# Altium PCB Thunderscope_Rev4.PCBDOC (part 1 of 7) (continued)
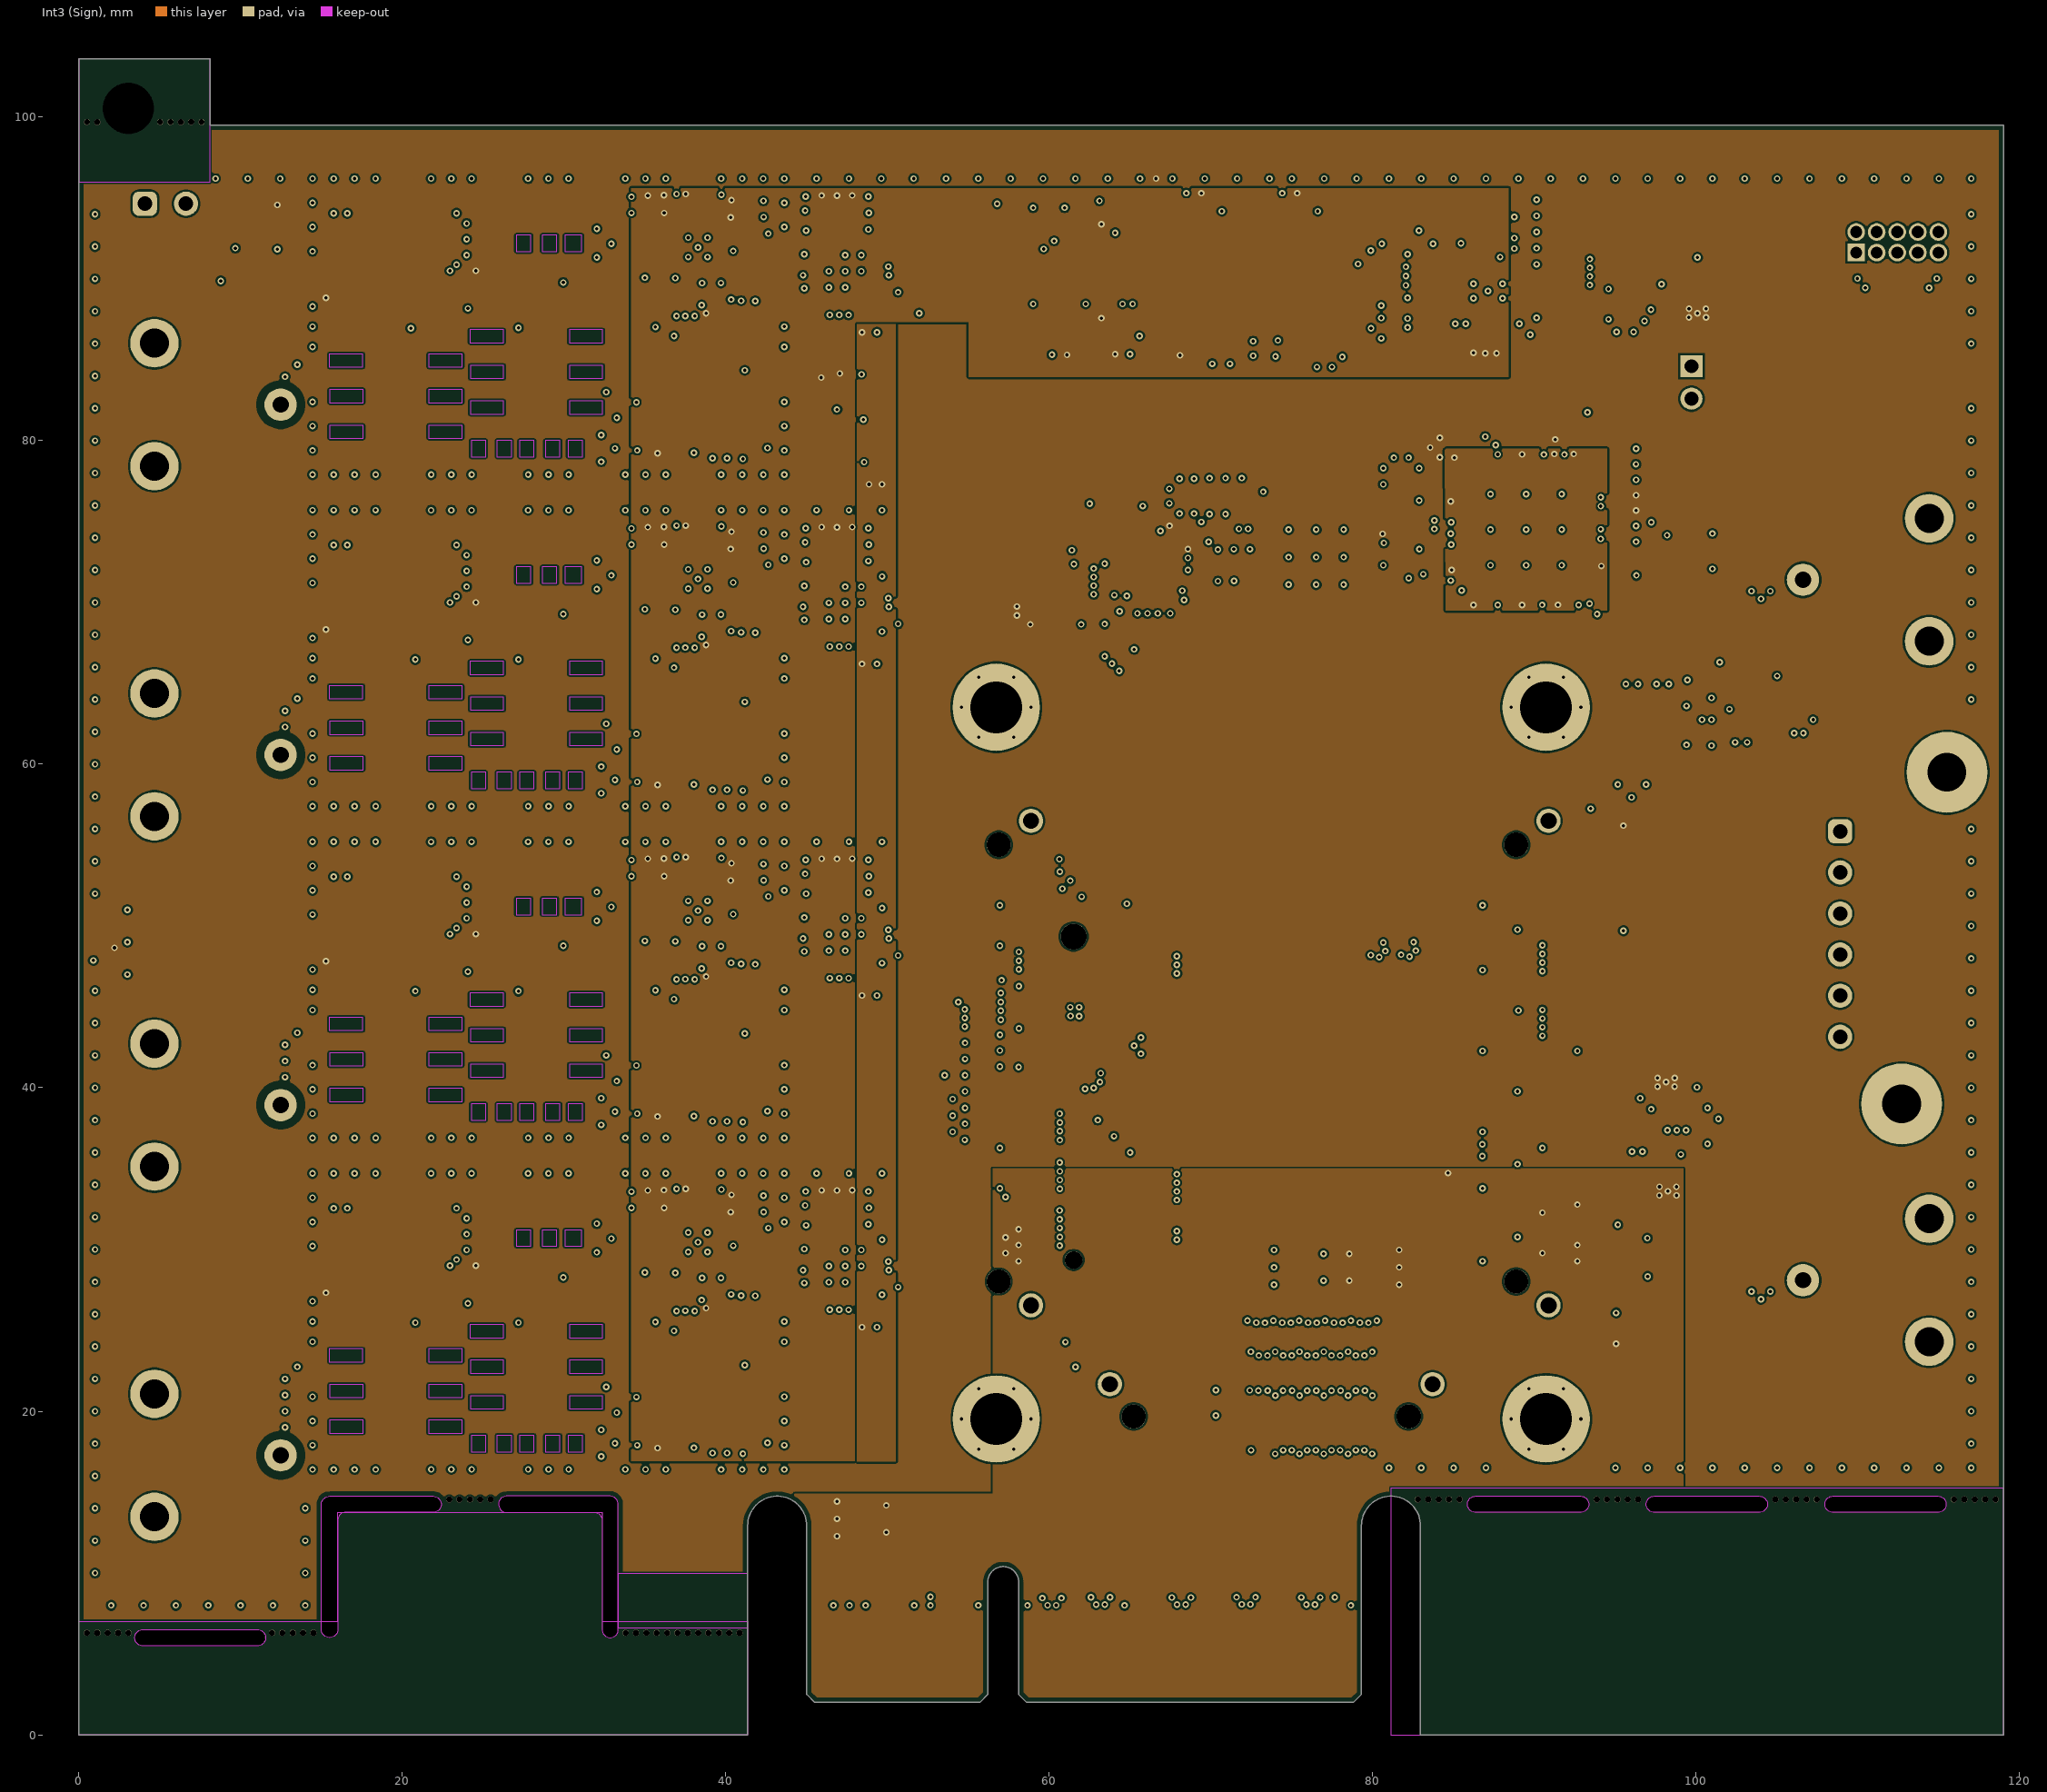
[diagram p4: Int3 (Sign)]
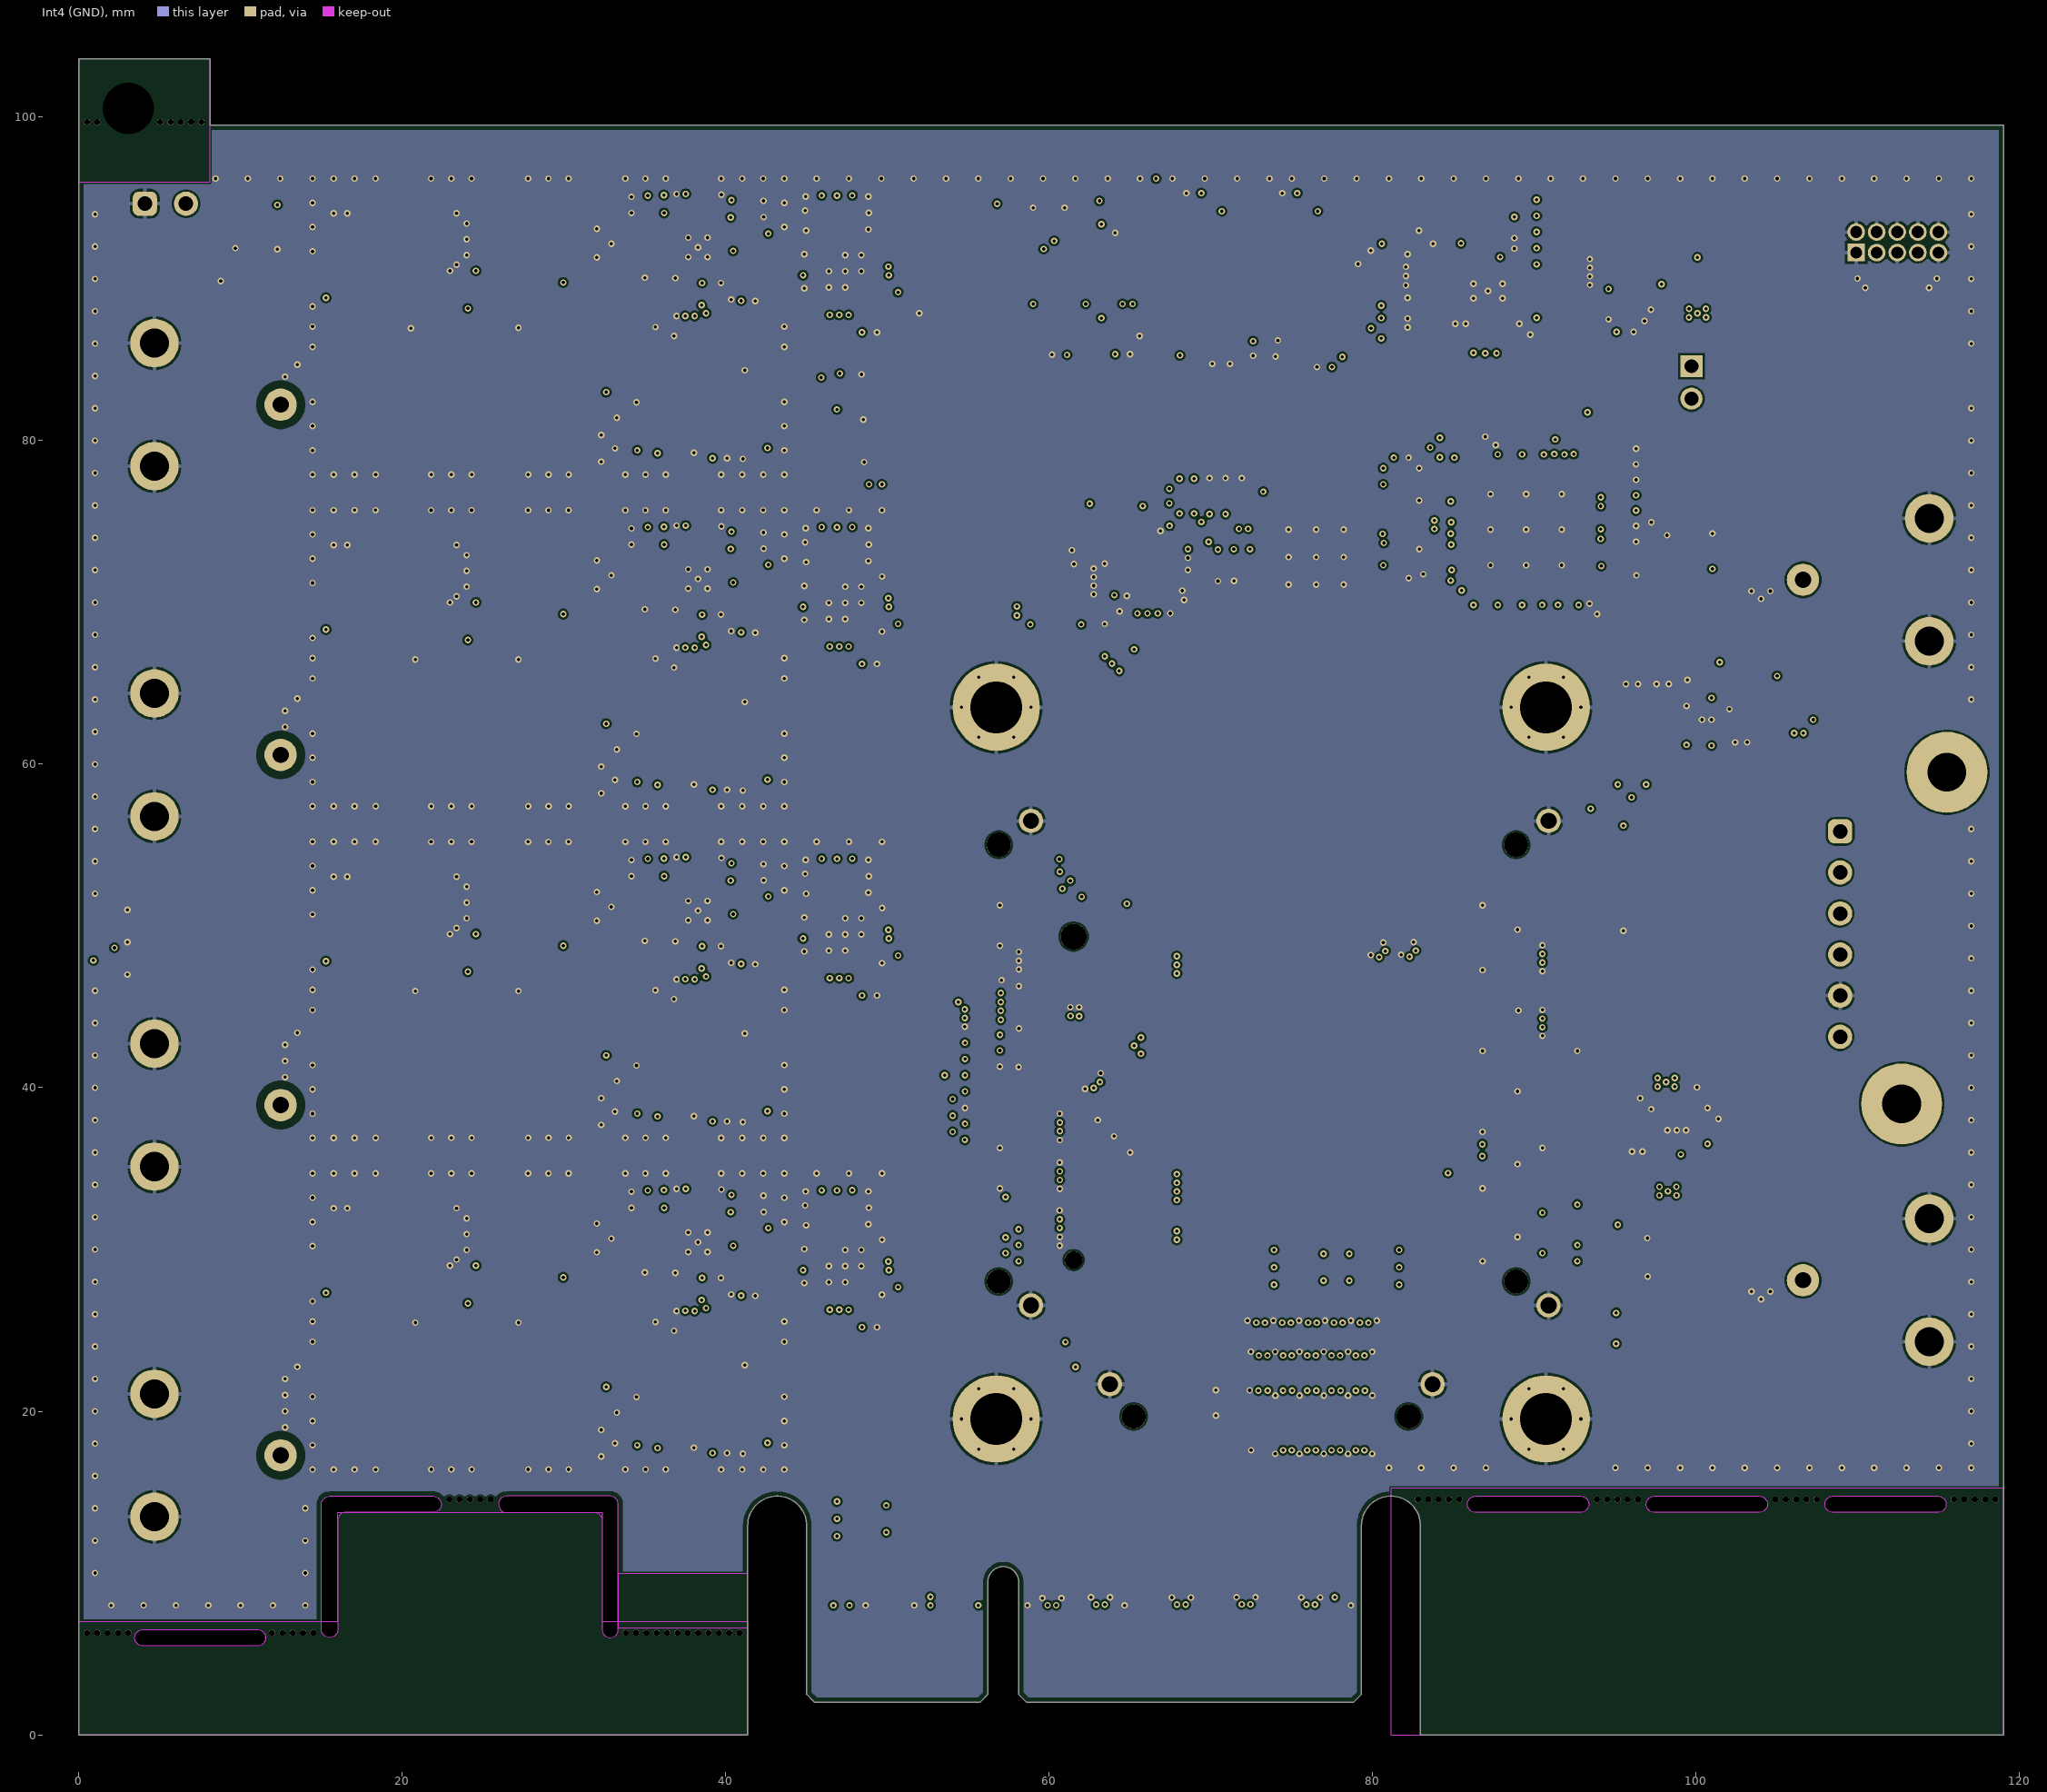
[diagram p5: Int4 (GND)]
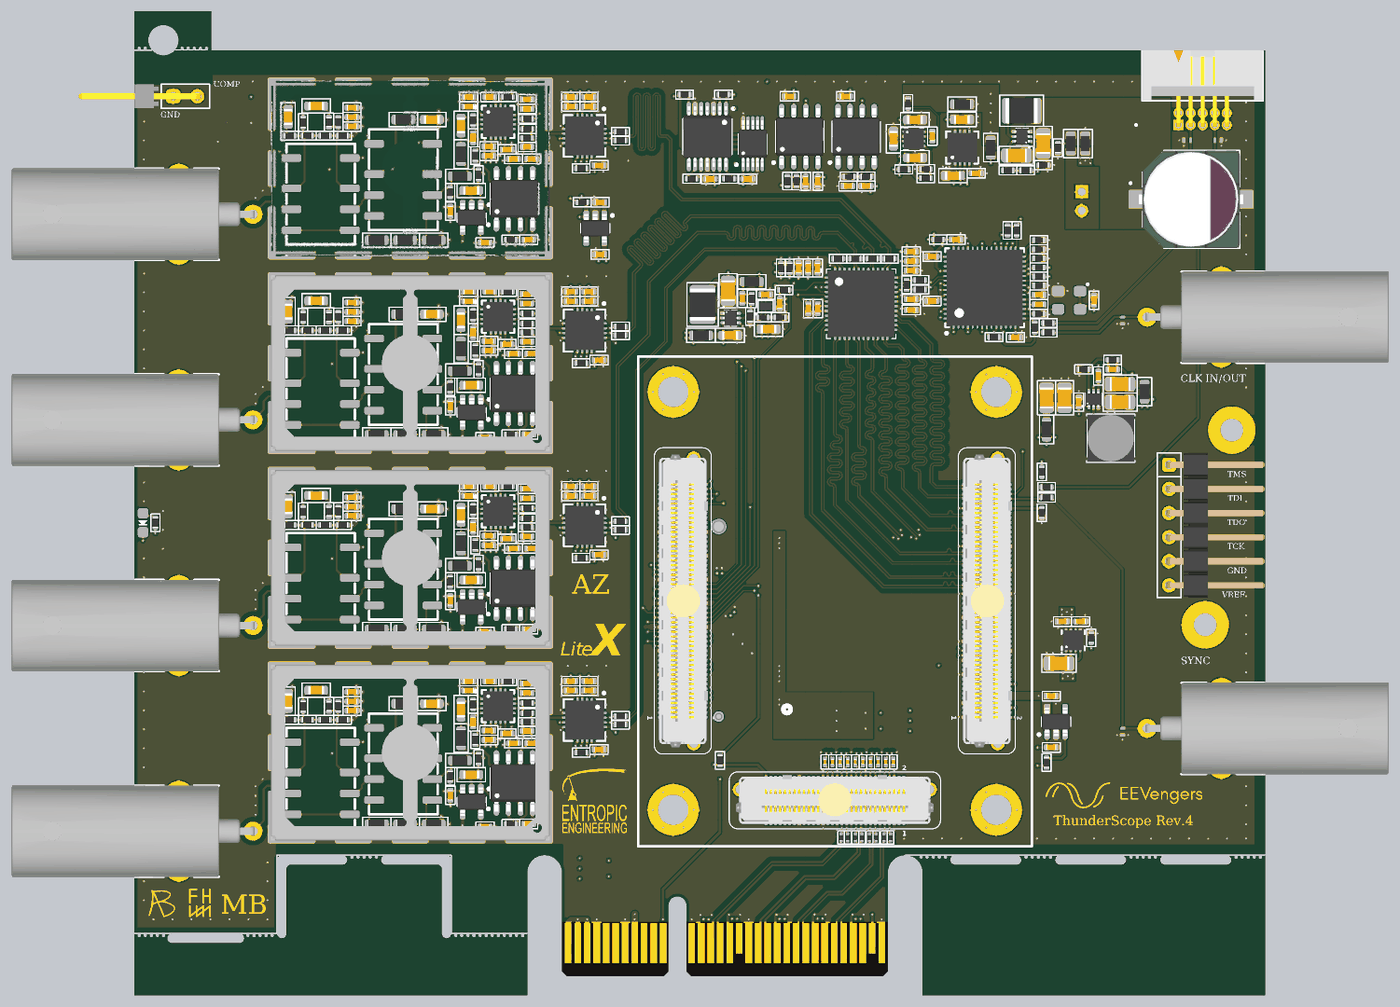
[diagram p12: 3D render of the assembled board from above, using the file's embedded part models]
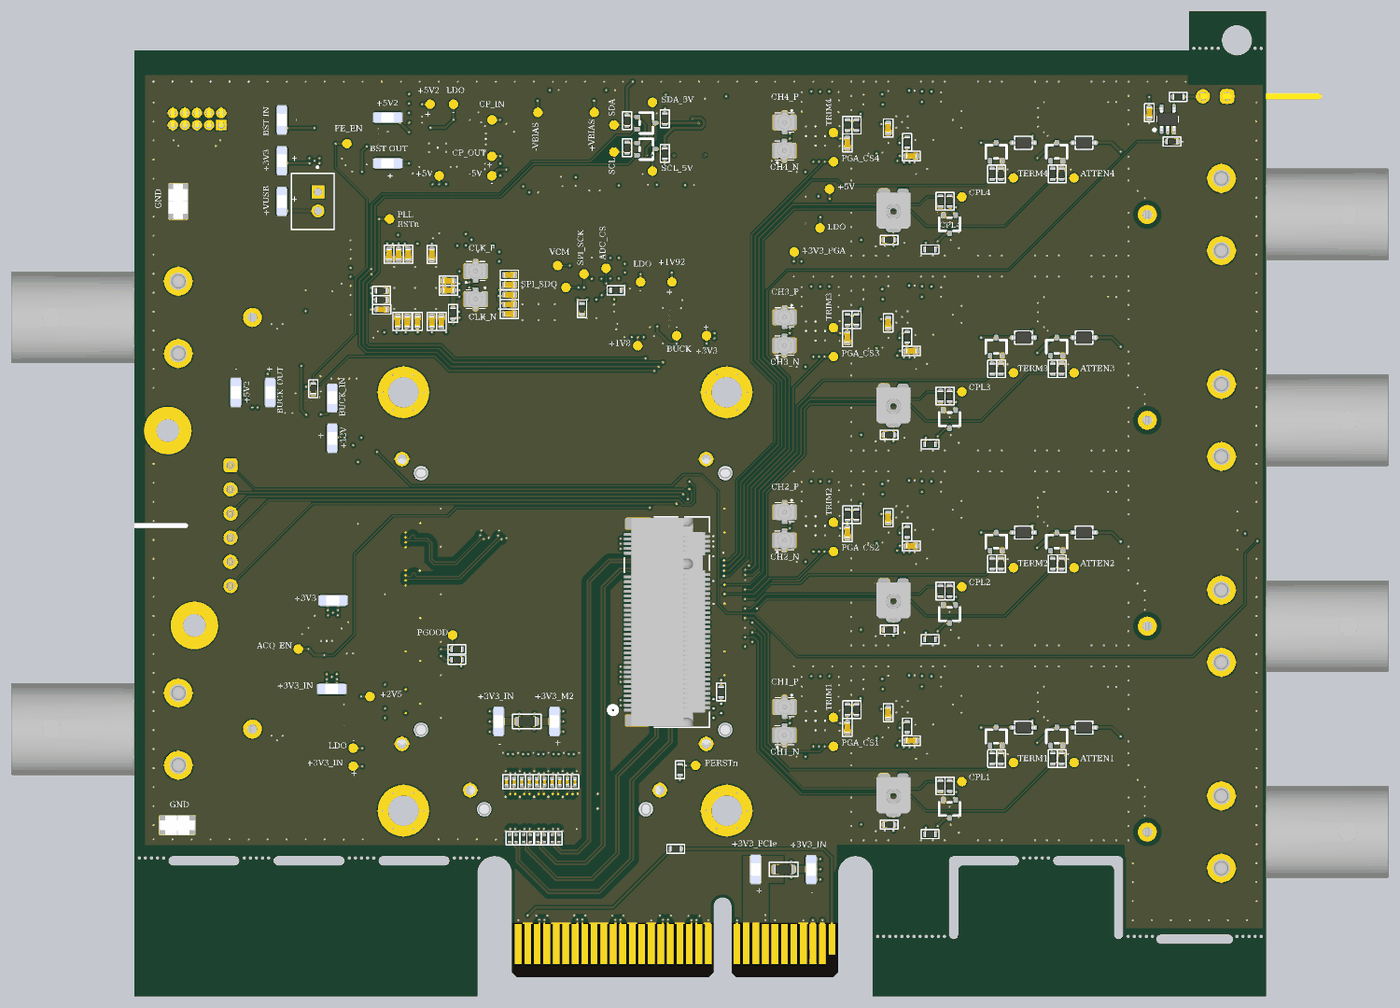
[diagram p13: 3D render of the assembled board from below, using the file's embedded part models]

## Layer stack, top to bottom
Top Solder: solder mask 0.0254, SM-001, Dk 4
Top Layer: signal copper 0.035
Dielectric 1: prepreg 0.1107, PP-006, Dk 3.23
Int1 (GND): signal copper 0.0175
Dielectric 3: core 0.1016, Core-035, Dk 3.66
Int2 (Sign): signal copper 0.0175
Dielectric 5: core 0.9256, PP-006, Dk 3.66
Int3 (Sign): signal copper 0.0175
Dielectric 6: core 0.1016, Core-035, Dk 3.66
Int4 (GND): signal copper 0.0175
Dielectric 8: prepreg 0.1107, PP-006, Dk 3.23
Bottom Layer: signal copper 0.035
Bottom Solder: solder mask 0.0254, SM-001, Dk 4

## Board outline
41.35,0 41.35,12.925 cw(c43.175,12.925) 45,12.925 45,2.5 45.5,2 55.7,2 56.2,2.5 56.2,9.45 cw(c57.15,9.45) 58.1,9.45 58.1,2.5 58.6,2 78.8,2 79.3,2.5 79.3,12.925 cw(c81.125,12.925) 82.95,12.925 82.95,0 119,0 119,99.5 8.1,99.5 8.1,103.6 0,103.6 0,0
cut-out: 97.4,13.75 cw(c97.4,14.25) 97.4,14.75 103.9,14.75 cw(c103.9,14.25) 103.9,13.75
cut-out: 33.35,6.5 33.35,14.25 ccw(c32.85,14.25) 32.85,14.75 26.436,14.75 ccw(c26.449,14.25) 26.461,13.75 31.85,13.75 cw(c31.85,13.25) 32.35,13.25 32.35,6.5 ccw(c32.85,6.5)
cut-out: 15,6.5 15,14.25 cw(c15.5,14.25) 15.5,14.75 21.914,14.75 cw(c21.901,14.25) 21.889,13.75 16.5,13.75 ccw(c16.5,13.25) 16,13.25 16,6.5 cw(c15.5,6.5)
cut-out: 108.45,13.75 cw(c108.45,14.25) 108.45,14.75 114.95,14.75 cw(c114.95,14.25) 114.95,13.75
cut-out: 86.35,13.75 cw(c86.35,14.25) 86.35,14.75 92.85,14.75 cw(c92.85,14.25) 92.85,13.75
cut-out: 3.95,5.5 cw(c3.95,6) 3.95,6.5 11.05,6.5 cw(c11.05,6) 11.05,5.5

## Design rules (kind name [scope] priority, off if disabled: settings)
BoardOutlineClearance [All] p1: gap=0.3 ignorepadtopadclearanceinfootprint=FALSE
Clearance Clearance_Via [isVia vs isVia or isPad] p1 off: gap=0.127 ignorepadtopadclearanceinfootprint=FALSE except(0: Arc-Hole Track-Hole SMDPad-Hole THPad-Hole Via-Hole Fill-Hole Poly-Hole Region-Hole Text-Hole)
Clearance Clearance_U13 [InComponent('U13') vs InComponent('U13')] p2: gap=0.127 ignorepadtopadclearanceinfootprint=TRUE except(0: Arc-Hole Track-Hole SMDPad-Hole THPad-Hole Via-Hole Fill-Hole Poly-Hole Region-Hole Text-Hole)
Clearance Clearance_DIFF_PGA [(InDifferentialPairClass('100Z_Diff_PGA')) vs (InDifferentialPairClass('100Z_Diff_PGA'))] p3: gap=0.254 ignorepadtopadclearanceinfootprint=FALSE except(0.428: Arc-Arc Arc-Track Track-Track)
Clearance Clearance_DIFF_PCIe [(InDifferentialPairClass('PCIe')) vs (InDifferentialPairClass('PCIe'))] p4: gap=0.127 ignorepadtopadclearanceinfootprint=FALSE except(0.254: Arc-Track Track-Track)
Clearance Clearance_DIFF_ADC [(InDifferentialPairClass('100Z_Diff')) vs (InDifferentialPairClass('100Z_Diff'))] p5: gap=0.127 ignorepadtopadclearanceinfootprint=FALSE except(0.214: Arc-Arc Arc-Track Track-Track)
Clearance Clearance_DIFF_PGA_GND [(InDifferentialPairClass('100Z_Diff_PGA')) vs InNet('GND')] p6: gap=0.127 ignorepadtopadclearanceinfootprint=FALSE except(0.508: Arc-Poly Track-Poly)
Clearance Clearance_DIFF_PCIe_GND [(InDifferentialPairClass('PCIe')) vs InNet('GND')] p7: gap=0.127 ignorepadtopadclearanceinfootprint=FALSE except(0.508: Arc-Poly Track-Poly)
Clearance Clearance_DIFF_ADC_GND [(InDifferentialPairClass('100Z_Diff')) vs InNet('GND')] p8: gap=0.127 ignorepadtopadclearanceinfootprint=FALSE except(0.508: Arc-Poly Track-Poly)
Clearance Clearance_50Z [InNetClass('50Z')] p9: gap=0.127 ignorepadtopadclearanceinfootprint=FALSE except(0: Arc-Hole Track-Hole SMDPad-Hole THPad-Hole Via-Hole Fill-Hole Poly-Hole Region-Hole Text-Hole; 0.5: Arc-Fill Arc-Poly Arc-Region Track-Fill Track-Poly Track-Region SMDPad-Fill SMDPad-Poly SMDPad-Region THPad-Fill THPad-Poly THPad-Region Via-Fill Via-Poly Via-Region Fill-Fill Fill-Poly Fill-Region Poly-Poly Poly-Region Region-Region)
Clearance [All] p10: gap=0.127 ignorepadtopadclearanceinfootprint=FALSE except(0: Arc-Hole Track-Hole SMDPad-Hole THPad-Hole Via-Hole Fill-Hole Poly-Hole Region-Hole Text-Hole)
ComponentClearance ComponentClearance_BNC [HasFootprint('MOL_0731000105')] p1: gap=0 collisioncheckmode=3 verticalgap=0 showdistances=FALSE
ComponentClearance ComponentClearance_Probe_Comp [HasFootprint('GEN_2.54mm_1x2_Pin_TH_RA')] p2: gap=0 collisioncheckmode=3 verticalgap=0 showdistances=FALSE
ComponentClearance ComponentClearance_100pin [HasFootprint('SAM_LSHM-150-XX.X-XX-DV-A-S')] p3: gap=0 collisioncheckmode=3 verticalgap=0 showdistances=FALSE
ComponentClearance ComponentClearance_60pin [HasFootprint('SAM_LSHM-130-XX.X-XX-DV-A-S')] p4: gap=0 collisioncheckmode=3 verticalgap=0 showdistances=FALSE
ComponentClearance [All] p5: gap=0.254 collisioncheckmode=3 verticalgap=0.254 showdistances=FALSE
DiffPairsRouting DiffPairsRouting_100Z [InDifferentialPairClass('100Z_Diff')] p1: maxlimit=0.23 minlimit=0.127 mostfreqgap=0.23 toplayer_mingap=0.13 toplayer_maxgap=0.13 toplayer_prefgap=0.13 toplayer_minwidth=0.127 toplayer_maxwidth=0.127 toplayer_prefwidth=0.127 midlayer2_mingap=0.23 midlayer2_minwidth=0.127 midlayer2_maxwidth=0.127 midlayer2_prefwidth=0.127 midlayer3_mingap=0.23 midlayer3_minwidth=0.127 midlayer3_maxwidth=0.127 midlayer3_prefwidth=0.127 bottomlayer_mingap=0.13 bottomlayer_maxgap=0.13 bottomlayer_prefgap=0.13 bottomlayer_minwidth=0.127 bottomlayer_maxwidth=0.127 bottomlayer_prefwidth=0.127 impedanceprofiledriven=TRUE impedanceprofileid={FB5F7173-F835-4297-BE54-BE04AE4BFF60} impedanceprofilevalue=100.000000 maxuncoupledlength=12.7
DiffPairsRouting DiffPairsRouting_100Z_PGA [InDifferentialPairClass('100Z_Diff_PGA')] p2: maxlimit=0.23 minlimit=0.127 mostfreqgap=0.23 toplayer_mingap=0.13 toplayer_maxgap=0.13 toplayer_prefgap=0.13 toplayer_minwidth=0.127 toplayer_maxwidth=0.127 toplayer_prefwidth=0.127 midlayer2_mingap=0.23 midlayer2_minwidth=0.127 midlayer2_maxwidth=0.127 midlayer2_prefwidth=0.127 midlayer3_mingap=0.23 midlayer3_minwidth=0.127 midlayer3_maxwidth=0.127 midlayer3_prefwidth=0.127 bottomlayer_mingap=0.13 bottomlayer_maxgap=0.13 bottomlayer_prefgap=0.13 bottomlayer_minwidth=0.127 bottomlayer_maxwidth=0.127 bottomlayer_prefwidth=0.127 impedanceprofiledriven=TRUE impedanceprofileid={FB5F7173-F835-4297-BE54-BE04AE4BFF60} impedanceprofilevalue=100.000000 maxuncoupledlength=12.7
DiffPairsRouting DiffPairsRouting_PCIe [InDifferentialPairClass('PCIe')] p3: maxlimit=0.127 minlimit=0.127 mostfreqgap=0.127 toplayer_minwidth=0.191 toplayer_maxwidth=0.191 toplayer_prefwidth=0.191 midlayer2_minwidth=0.148 midlayer2_maxwidth=0.148 midlayer2_prefwidth=0.148 midlayer3_minwidth=0.148 midlayer3_maxwidth=0.148 midlayer3_prefwidth=0.148 bottomlayer_minwidth=0.191 bottomlayer_maxwidth=0.191 bottomlayer_prefwidth=0.191 impedanceprofiledriven=TRUE impedanceprofileid={7212ECE3-5650-4114-8E5F-257A5B36AE57} impedanceprofilevalue=85.000000 maxuncoupledlength=12.7
Height "PCI Express, Page 84, \"Component Height Constraints\" for solder side" [OnBottomLayer] p1: minheight=0 maxheight=2.67 prefheight=2.67
Height "PCI Express, Page 84, \"Component Height Constraints\" for component side" [OnTopLayer] p2: minheight=0 maxheight=14.47 prefheight=14.47
HoleSize [All] p1: absolutevalues=TRUE maxlimit=6.731 minlimit=0.254 maxpercent=80.000 minpercent=20.000
HoleToHoleClearance [All] p1: gap=0.254 allowstackedmicrovias=FALSE
MatchedLengths MatchedLengths_ADC [InDifferentialPairClass('100Z_Diff')] p1: tolerance=3 checknetsindiffpair=FALSE checkdiffpairvsdiffpair=TRUE checkxsignals=TRUE checkothers=TRUE usedelayunits=TRUE delaytolerance=5.000000
MatchedLengths MatchedLengths_ADC_pair [InDifferentialPairClass('100Z_Diff')] p2: tolerance=3 checknetsindiffpair=TRUE checkdiffpairvsdiffpair=FALSE checkxsignals=FALSE checkothers=FALSE usedelayunits=TRUE delaytolerance=2.000000
MatchedLengths MatchedLengths_PGA [InDifferentialPairClass('100Z_Diff_PGA')] p3: tolerance=3 checknetsindiffpair=FALSE checkdiffpairvsdiffpair=TRUE checkxsignals=TRUE checkothers=TRUE usedelayunits=TRUE delaytolerance=5.000000
MatchedLengths MatchedLengths_PGA_pair [InDifferentialPairClass('100Z_Diff_PGA')] p4: tolerance=3 checknetsindiffpair=TRUE checkdiffpairvsdiffpair=FALSE checkxsignals=FALSE checkothers=FALSE usedelayunits=TRUE delaytolerance=2.000000
MatchedLengths MatchedLengths_PCIe_pair [InDifferentialPairClass('PCIe')] p5: tolerance=3 checknetsindiffpair=TRUE checkdiffpairvsdiffpair=FALSE checkxsignals=FALSE checkothers=FALSE usedelayunits=TRUE delaytolerance=2.000000
MinimumAnnularRing [All] p1: minimumring=0.102
MinimumSolderMaskSliver [All] p1: minsoldermaskwidth=0
PlaneClearance [All] p1: clearance=0.127
PlaneConnect [All] p1: pad.planeconnectstyle=Relief pad.reliefexpansion=0.102 pad.reliefentries=4 pad.reliefconductorwidth=0.152 pad.reliefairgap=0.152 via.planeconnectstyle=Direct via.reliefexpansion=0.102 via.reliefentries=4 via.reliefconductorwidth=0.152 via.reliefairgap=0.152
PolygonConnect [All] p1: thpad.connectstyle=Relief thpad.reliefconductorwidth=0.254 thpad.reliefentries=4 thpad.polygonreliefangle="90 Angle" thpad.airgapwidth=0.152 smdpad.connectstyle=Direct smdpad.reliefconductorwidth=0.254 smdpad.reliefentries=4 smdpad.polygonreliefangle="90 Angle" smdpad.airgapwidth=0.152 via.connectstyle=Direct via.reliefconductorwidth=0.254 via.reliefentries=4 via.polygonreliefangle="90 Angle" via.airgapwidth=0.152
RoomDefinition CH4 [InComponentClass('CH4')] p1: confinementstyle=ConfineIn formatcopy=TRUE lockcomponents=FALSE outline 13.8,96.875 44,96.875 44,77.225 13.8,77.225
RoomDefinition CH3 [InComponentClass('CH3')] p2: confinementstyle=ConfineIn formatcopy=TRUE lockcomponents=FALSE outline 13.8,76.375 44,76.375 44,56.725 13.8,56.725
RoomDefinition CH2 [InComponentClass('CH2')] p3: confinementstyle=ConfineIn formatcopy=TRUE lockcomponents=FALSE outline 13.8,55.875 44,55.875 44,36.225 13.8,36.225
RoomDefinition CH1 [InComponentClass('CH1')] p4: confinementstyle=ConfineIn formatcopy=TRUE lockcomponents=FALSE outline 13.8,35.375 44,35.375 44,15.725 13.8,15.725
RoutingCorners [All] p1: cornerstyle=45-Degree minsetback=1.25 maxsetback=1.25
RoutingVias [All] p1: holewidth=0.254 width=0.457 viastyle="Through Hole" minholewidth=0.254 minwidth=0.457 maxholewidth=0.254 maxwidth=0.457 useviatemplates=TRUE viatemplateguid#1={14ACA18C-B4B9-4F0E-87C9-584203889310} viatemplatename#1=v41h20m0mx0
SilkToSilkClearance [All] p1: silktosilkclearance=0
SilkToSolderMaskClearance [IsPad] p1: minsilkscreentomaskgap=0.127 clearancetoexposedcopper=TRUE
SolderMaskExpansion [All] p1: expansion=0.038 istentingtop=FALSE
ViasUnderSMD [All] p1: allowed=FALSE
Width GND [InNet('GND')] p1: maxlimit=0.762 minlimit=0.127 preferedwidth=0.508
Width Power [InNetClass('Power')] p2: maxlimit=1.016 minlimit=0.508 preferedwidth=0.762
Width 3V3 [InNetClass('3V3')] p3: maxlimit=0.762 minlimit=0.254 preferedwidth=0.508
Width 50Z [InNetClass('50Z')] p4: maxlimit=0.254 minlimit=0.127 preferedwidth=0.156 toplayer_minwidth=0.213 toplayer_maxwidth=0.213 toplayer_prefwidth=0.213 midlayer2_minwidth=0.156 midlayer2_maxwidth=0.156 midlayer3_minwidth=0.156 midlayer3_maxwidth=0.156 bottomlayer_minwidth=0.213 bottomlayer_maxwidth=0.213 bottomlayer_prefwidth=0.213 impedanceprofiledriven=TRUE impedanceprofileid={FDA8FC08-28A6-4DD6-B9BB-CC1F53D11216} impedanceprofilevalue=50.000000 minimp=50.000000 maximp=50.000000 favimp=50.000000
Width [All] p5: maxlimit=10.16 minlimit=0.127 preferedwidth=0.254 midlayer3_minwidth=0.152 midlayer3_prefwidth=0.203 midlayer4_minwidth=0.152 midlayer4_prefwidth=0.203 minimp=50.000000 maximp=50.000000 favimp=50.000000
19 further rules are at their usual default settings.
